# KiCad board haptic display 8x8 aisler.kicad_pcb (continued)
## Routing (per net, layer and track width the routed paths; a pad name or vN(x,y) marks a point on that pad's centre or on a via; arc(x,y) is an arc through that point) (continued)
109.39,84.02 109.7,84.06 110,84.08 110.3,84.07 110.61,84.04 110.91,83.98 111.2,83.91 111.49,83.81 111.78,83.69 112.05,83.55 112.31,83.39 112.56,83.21 112.79,83.01 113.01,82.79 113.21,82.56 113.4,82.32 113.57,82.06 113.71,81.79 113.84,81.51 113.94,81.22 114.03,80.92 114.09,80.62 114.12,80.31 114.14,80 114.13,79.69 114.1,79.38 114.04,79.08 113.97,78.78 113.87,78.48 113.74,78.2 113.6,77.92 113.44,77.66 113.26,77.4 113.05,77.17 112.84,76.94 112.6,76.74 112.35,76.55 112.09,76.38 111.81,76.23 111.53,76.1 111.23,76 110.93,75.91 110.63,75.85 110.31,75.81 110,75.8 109.7,75.81 109.4,75.84 109.11,75.89 108.81,75.96 108.53,76.05 108.25,76.16 107.98,76.3 107.72,76.45 107.47,76.62 107.23,76.8 107.01,77.01 106.8,77.23 106.61,77.46 106.43,77.71 106.28,77.97 106.14,78.24 106.02,78.52 105.92,78.8 105.84,79.1 105.79,79.39 105.75,79.7 105.74,80 105.75,80.3 105.78,80.61 105.83,80.91 105.9,81.2 105.99,81.49 106.11,81.78 106.24,82.05 106.4,82.32 106.57,82.57 106.76,82.81 106.96,83.04 107.19,83.25 107.42,83.44 107.67,83.62 107.94,83.78 108.21,83.92 108.49,84.04 108.78,84.14 109.08,84.22 109.39,84.28 109.69,84.31 110,84.33 110.31,84.32 110.62,84.29 110.92,84.23 111.22,84.16 111.52,84.07 111.8,83.95 112.08,83.81 112.35,83.66 112.61,83.48 112.85,83.29 113.08,83.08 113.29,82.85 113.49,82.61 113.67,82.36 113.83,82.09 113.98,81.82 114.1,81.53 114.2,81.23 114.28,80.93 114.34,80.62 114.37,80.31 114.39,80 114.38,79.69 114.35,79.37 114.3,79.07 114.22,78.76 114.12,78.46 114.01,78.17 113.87,77.89 113.71,77.62 113.53,77.36 113.34,77.11 113.12,76.88 112.9,76.66 112.65,76.46 112.39,76.28 112.12,76.11 111.84,75.97 111.55,75.84 111.25,75.74 110.94,75.66 110.63,75.6 110.32,75.56 110,75.55 109.05,75.55 ; 109.59,63.98 109.63,63.97 110,63.6 110,63.55 109.79,63.56 109.59,63.6 109.39,63.67 109.2,63.76 109.03,63.88 108.88,64.03 108.75,64.19 108.64,64.38 108.56,64.58 108.51,64.79 108.49,65 108.5,65.22 108.54,65.43 108.61,65.64 108.71,65.83 108.84,66.01 108.99,66.17 109.16,66.31 109.35,66.42 109.56,66.5 109.78,66.55 110,66.58 110.22,66.56 110.45,66.52 110.66,66.45 110.86,66.34 111.05,66.21 111.22,66.05 111.36,65.87 111.47,65.67 111.56,65.46 111.62,65.23 111.64,65 111.63,64.77 111.58,64.54 111.51,64.31 111.4,64.1 111.26,63.91 111.09,63.74 110.91,63.59 110.7,63.47 110.48,63.38 110.24,63.32 110,63.3 109.78,63.31 109.56,63.35 109.34,63.41 109.14,63.51 108.95,63.63 108.78,63.78 108.62,63.94 108.49,64.13 108.39,64.33 108.31,64.55 108.26,64.77 108.24,65 108.25,65.23 108.29,65.46 108.36,65.68 108.46,65.89 108.58,66.09 108.73,66.27 108.9,66.43 109.1,66.56 109.31,66.67 109.53,66.75 109.76,66.8 110,66.83 110.24,66.81 110.48,66.77 110.7,66.7 110.92,66.6 111.13,66.47 111.31,66.31 111.48,66.13 111.62,65.93 111.73,65.72 111.81,65.49 111.87,65.25 111.89,65 111.88,64.75 111.83,64.51 111.76,64.27 111.65,64.05 111.52,63.84 111.36,63.64 111.17,63.47 110.96,63.33 110.74,63.21 110.5,63.13 110.25,63.07 110,63.05 109.76,63.06 109.53,63.1 109.3,63.16 109.08,63.26 108.88,63.38 108.69,63.52 108.52,63.68 108.36,63.87 108.24,64.07 108.13,64.29 108.06,64.52 108.01,64.76 107.99,65 108,65.24 108.04,65.48 108.1,65.72 108.2,65.94 108.32,66.16 108.47,66.35 108.64,66.53 108.83,66.69 109.04,66.82 109.27,66.93 109.51,67.01 109.75,67.06 110,67.08 110.25,67.06 110.5,67.02 110.74,66.95 110.97,66.85 111.19,66.73 111.4,66.57 111.58,66.4 111.74,66.2 111.88,65.98 111.99,65.75 112.07,65.51 112.12,65.26 112.14,65 112.13,64.74 112.08,64.49 112.01,64.24 111.91,64 111.78,63.77 111.62,63.56 111.44,63.37 111.24,63.21 111.01,63.07 110.78,62.96 110.52,62.87 110.26,62.82 110,62.8 109.75,62.81 109.51,62.85 109.27,62.91 109.04,63 108.82,63.12 108.61,63.26 108.42,63.42 108.25,63.61 108.1,63.81 107.98,64.03 107.88,64.26 107.8,64.5 107.76,64.75 107.74,65 107.75,65.25 107.79,65.51 107.85,65.75 107.95,65.99 108.07,66.22 108.21,66.43 108.38,66.62 108.57,66.8 108.77,66.95 109,67.08 109.24,67.18 109.48,67.26 109.74,67.31 110,67.33 110.26,67.31 110.52,67.28 110.77,67.21 111.02,67.11 111.25,66.99 111.47,66.84 111.67,66.67 111.85,66.47 112,66.26 112.13,66.03 112.24,65.78 112.32,65.53 112.37,65.27 112.39,65 112.38,64.73 112.34,64.47 112.27,64.21 112.17,63.96 112.04,63.72 111.89,63.49 111.71,63.29 111.51,63.11 111.29,62.94 111.06,62.81 110.8,62.7 110.54,62.62 110.27,62.57 110,62.55 109.74,62.56 109.49,62.6 109.24,62.66 109,62.75 108.76,62.86 108.55,63 108.34,63.16 108.15,63.34 107.99,63.54 107.84,63.75 107.72,63.98 107.62,64.23 107.55,64.48 107.51,64.74 107.49,65 107.5,65.26 107.53,65.52 107.6,65.78 107.69,66.03 107.81,66.27 107.95,66.49 108.11,66.7 108.3,66.89 108.5,67.06 108.72,67.21 108.96,67.34 109.21,67.44 109.47,67.51 109.73,67.56 110,67.58 110.27,67.57 110.54,67.53 110.8,67.46 111.05,67.37 111.3,67.25 111.53,67.1 111.74,66.94 111.94,66.75 112.11,66.54 112.27,66.31 112.39,66.07 112.5,65.81 112.57,65.55 112.62,65.28 112.64,65 112.63,64.72 112.59,64.45 112.52,64.18 112.42,63.92 112.3,63.67 112.15,63.44 111.98,63.22 111.79,63.02 111.57,62.84 111.34,62.68 111.09,62.55 110.83,62.44 110.56,62.37 110.28,62.32 110,62.3 109.73,62.31 109.47,62.34 109.21,62.41 108.96,62.49 108.72,62.6 108.49,62.74 108.27,62.89 108.07,63.07 107.89,63.26 107.72,63.48 107.58,63.71 107.46,63.95 107.37,64.2 107.3,64.46 107.25,64.73 107.24,65 107.25,65.27 107.28,65.54 107.35,65.81 107.43,66.06 107.55,66.31 107.68,66.55 107.84,66.77 108.02,66.98 108.23,67.16 108.44,67.33 108.68,67.47 108.92,67.6 109.18,67.69 109.45,67.76 109.72,67.81 110,67.83 110.28,67.82 110.55,67.78 110.82,67.71 111.09,67.62 111.34,67.51 111.58,67.37 111.81,67.2 112.02,67.02 112.21,66.81 112.38,66.59 112.53,66.35 112.65,66.1 112.75,65.83 112.82,65.56 112.87,65.28 112.89,65 112.88,64.72 112.84,64.44 112.77,64.16 112.68,63.89 112.56,63.63 112.42,63.38 112.25,63.15 112.06,62.94 111.85,62.74 111.63,62.57 111.38,62.42 111.12,62.29 110.85,62.19 110.57,62.11 110.29,62.07 110,62.05 109.73,62.06 109.46,62.09 109.19,62.15 108.93,62.24 108.68,62.34 108.44,62.47 108.21,62.63 107.99,62.8 107.8,62.99 107.62,63.2 107.46,63.43 107.32,63.67 107.2,63.92 107.11,64.18 107.05,64.45 107,64.72 106.99,65 107,65.28 107.03,65.55 107.09,65.83 107.18,66.09 107.29,66.35 107.42,66.6 107.58,66.83 107.75,67.05 107.95,67.25 108.16,67.43 108.39,67.6 108.64,67.74 108.89,67.85 109.16,67.95 109.44,68.02 109.72,68.06 110,68.08 110.28,68.07 110.57,68.03 110.84,67.97 111.12,67.88 111.38,67.77 111.63,67.63 111.87,67.47 112.09,67.29 112.3,67.09 112.48,66.88 112.65,66.64 112.79,66.39 112.91,66.13 113.01,65.86 113.08,65.58 113.12,65.29 113.14,65 113.13,64.71 113.09,64.42 113.03,64.14 112.94,63.86 112.83,63.59 112.69,63.34 112.52,63.09 112.34,62.87 112.14,62.66 111.91,62.47 111.67,62.3 111.42,62.15 111.15,62.03 110.87,61.93 110.59,61.86 110.29,61.82 110,61.8 109.72,61.81 109.44,61.84 109.17,61.9 108.9,61.98 108.64,62.08 108.39,62.21 108.15,62.36 107.93,62.53 107.72,62.72 107.52,62.92 107.35,63.14 107.19,63.38 107.06,63.63 106.95,63.89 106.86,64.16 106.79,64.43 106.75,64.72 106.74,65 106.75,65.28 106.78,65.57 106.84,65.85 106.92,66.12 107.03,66.39 107.16,66.64 107.31,66.89 107.48,67.11 107.67,67.33 107.88,67.53 108.11,67.7 108.35,67.86 108.6,68 108.87,68.11 109.14,68.2 109.42,68.27 109.71,68.31 110,68.33 110.29,68.32 110.58,68.28 110.86,68.22 111.14,68.14 111.41,68.03 111.67,67.9 111.92,67.74 112.16,67.57 112.37,67.37 112.57,67.16 112.75,66.93 112.92,66.68 113.05,66.42 113.17,66.15 113.26,65.87 113.33,65.59 113.37,65.29 113.39,65 113.38,64.7 113.34,64.41 113.28,64.12 113.2,63.84 113.09,63.56 112.95,63.3 112.79,63.04 112.62,62.8 112.42,62.58 112.2,62.38 111.96,62.19 111.71,62.03 111.45,61.89 111.18,61.77 110.89,61.68 110.6,61.61 110.3,61.57 110,61.55 109.71,61.56 109.43,61.59 109.15,61.65 108.88,61.72 108.61,61.83 108.35,61.95 108.1,62.09 107.86,62.26 107.64,62.44 107.44,62.64 107.25,62.86 107.08,63.09 106.93,63.34 106.8,63.6 106.69,63.86 106.6,64.14 106.54,64.42 106.5,64.71 106.49,65 106.5,65.29 106.53,65.58 106.59,65.86 106.67,66.14 106.77,66.42 106.89,66.68 107.04,66.93 107.21,67.17 107.39,67.4 107.6,67.61 107.82,67.8 108.06,67.97 108.31,68.13 108.57,68.26 108.84,68.37 109.12,68.46 109.41,68.52 109.71,68.56 110,68.58 110.3,68.57 110.59,68.53 110.88,68.48 111.17,68.39 111.44,68.29 111.71,68.16 111.97,68.01 112.21,67.84 112.44,67.65 112.65,67.44 112.85,67.22 113.03,66.98 113.18,66.72 113.32,66.45 113.43,66.18 113.52,65.89 113.58,65.6 113.62,65.3 113.64,65 113.63,64.7 113.59,64.4 113.54,64.1 113.45,63.81 113.35,63.53 113.22,63.26 113.06,63 112.89,62.75 112.7,62.52 112.49,62.3 112.26,62.1 112.01,61.92 111.75,61.76 111.48,61.63 111.2,61.51 110.91,61.42 110.61,61.36 110.31,61.32 110,61.3 109.71,61.31 109.42,61.34 109.13,61.39 108.85,61.47 108.58,61.57 108.31,61.69 108.06,61.83 107.81,61.99 107.58,62.17 107.36,62.36 107.16,62.57 106.98,62.8 106.81,63.05 106.66,63.3 106.54,63.57 106.43,63.84 106.35,64.12 106.29,64.41 106.25,64.71 106.24,65 106.25,65.3 106.28,65.59 106.33,65.88 106.41,66.17 106.51,66.45 106.63,66.72 106.77,66.98 106.94,67.23 107.12,67.46 107.32,67.68 107.53,67.89 107.77,68.07 108.01,68.24 108.27,68.39 108.54,68.52 108.82,68.63 109.11,68.71 109.4,68.77 109.7,68.81 110,68.83 110.3,68.82 110.6,68.78 110.9,68.73 111.19,68.65 111.47,68.55 111.75,68.42 112.01,68.28 112.26,68.11 112.5,67.93 112.73,67.73 112.93,67.51 113.12,67.27 113.3,67.02 113.45,66.76 113.58,66.48 113.69,66.2 113.77,65.91 113.83,65.61 113.87,65.3 113.89,65 113.88,64.69 113.85,64.39 113.79,64.09 113.71,63.79 113.61,63.51 113.48,63.23 113.33,62.96 113.17,62.7 112.98,62.46 112.77,62.23 112.55,62.02 112.31,61.82 112.05,61.65 111.78,61.5 111.51,61.37 111.22,61.26 110.92,61.17 110.62,61.1 110.31,61.07 110,61.05 109.7,61.06 109.41,61.09 109.12,61.14 108.83,61.21 108.55,61.31 108.28,61.43 108.01,61.56 107.76,61.72 107.52,61.89 107.29,62.08 107.08,62.29 106.88,62.51 106.7,62.75 106.54,63 106.4,63.27 106.28,63.54 106.18,63.82 106.1,64.11 106.04,64.4 106,64.7 105.99,65 106,65.3 106.03,65.6 106.08,65.89 106.15,66.19 106.25,66.47 106.37,66.75 106.51,67.02 106.67,67.27 106.84,67.52 107.04,67.75 107.25,67.97 107.48,68.17 107.72,68.35 107.97,68.51 108.24,68.66 108.52,68.78 108.8,68.88 109.1,68.96 109.39,69.02 109.7,69.06 110,69.08 110.3,69.07 110.61,69.04 110.91,68.98 111.2,68.91 111.49,68.81 111.78,68.69 112.05,68.55 112.31,68.39 112.56,68.21 112.79,68.01 113.01,67.79 113.21,67.56 113.4,67.32 113.57,67.06 113.71,66.79 113.84,66.51 113.94,66.22 114.03,65.92 114.09,65.62 114.12,65.31 114.14,65 114.13,64.69 114.1,64.38 114.04,64.08 113.97,63.78 113.87,63.48 113.74,63.2 113.6,62.92 113.44,62.66 113.26,62.4 113.05,62.17 112.84,61.94 112.6,61.74 112.35,61.55 112.09,61.38 111.81,61.23 111.53,61.1 111.23,61 110.93,60.91 110.63,60.85 110.31,60.81 110,60.8 109.7,60.81 109.4,60.84 109.11,60.89 108.81,60.96 108.53,61.05 108.25,61.16 107.98,61.3 107.72,61.45 107.47,61.62 107.23,61.8 107.01,62.01 106.8,62.23 106.61,62.46 106.43,62.71 106.28,62.97 106.14,63.24 106.02,63.52 105.92,63.8 105.84,64.1 105.79,64.39 105.75,64.7 105.74,65 105.75,65.3 105.78,65.61 105.83,65.91 105.9,66.2 105.99,66.49 106.11,66.78 106.24,67.05 106.4,67.32 106.57,67.57 106.76,67.81 106.96,68.04 107.19,68.25 107.42,68.44 107.67,68.62 107.94,68.78 108.21,68.92 108.49,69.04 108.78,69.14 109.08,69.22 109.39,69.28 109.69,69.31 110,69.33 110.31,69.32 110.62,69.29 110.92,69.23 111.22,69.16 111.52,69.07 111.8,68.95 112.08,68.81 112.35,68.66 112.61,68.48 112.85,68.29 113.08,68.08 113.29,67.85 113.49,67.61 113.67,67.36 113.83,67.09 113.98,66.82 114.1,66.53 114.2,66.23 114.28,65.93 114.34,65.62 114.37,65.31 114.39,65 114.38,64.69 114.35,64.37 114.3,64.07 114.22,63.76 114.12,63.46 114.01,63.17 113.87,62.89 113.71,62.62 113.53,62.36 113.34,62.11 113.12,61.88 112.9,61.66 112.65,61.46 112.39,61.28 112.12,61.11 111.84,60.97 111.55,60.84 111.25,60.74 110.94,60.66 110.63,60.6 110.32,60.56 110,60.55 109.05,60.55 ; 109.59,48.98 109.63,48.97 110,48.6 110,48.55 109.79,48.56 109.59,48.6 109.39,48.67 109.2,48.76 109.03,48.88 108.88,49.03 108.75,49.19 108.64,49.38 108.56,49.58 108.51,49.79 108.49,50 108.5,50.22 108.54,50.43 108.61,50.64 108.71,50.83 108.84,51.01 108.99,51.17 109.16,51.31 109.35,51.42 109.56,51.5 109.78,51.55 110,51.58 110.22,51.56 110.45,51.52 110.66,51.45 110.86,51.34 111.05,51.21 111.22,51.05 111.36,50.87 111.47,50.67 111.56,50.46 111.62,50.23 111.64,50 111.63,49.77 111.58,49.54 111.51,49.31 111.4,49.1 111.26,48.91 111.09,48.74 110.91,48.59 110.7,48.47 110.48,48.38 110.24,48.32 110,48.3 109.78,48.31 109.56,48.35 109.34,48.41 109.14,48.51 108.95,48.63 108.78,48.78 108.62,48.94 108.49,49.13 108.39,49.33 108.31,49.55 108.26,49.77 108.24,50 108.25,50.23 108.29,50.46 108.36,50.68 108.46,50.89 108.58,51.09 108.73,51.27 108.9,51.43 109.1,51.56 109.31,51.67 109.53,51.75 109.76,51.8 110,51.83 110.24,51.81 110.48,51.77 110.7,51.7 110.92,51.6 111.13,51.47 111.31,51.31 111.48,51.13 111.62,50.93 111.73,50.72 111.81,50.49 111.87,50.25 111.89,50 111.88,49.75 111.83,49.51 111.76,49.27 111.65,49.05 111.52,48.84 111.36,48.64 111.17,48.47 110.96,48.33 110.74,48.21 110.5,48.13 110.25,48.07 110,48.05 109.76,48.06 109.53,48.1 109.3,48.16 109.08,48.26 108.88,48.38 108.69,48.52 108.52,48.68 108.36,48.87 108.24,49.07 108.13,49.29 108.06,49.52 108.01,49.76 107.99,50 108,50.24 108.04,50.48 108.1,50.72 108.2,50.94 108.32,51.16 108.47,51.35 108.64,51.53 108.83,51.69 109.04,51.82 109.27,51.93 109.51,52.01 109.75,52.06 110,52.08 110.25,52.06 110.5,52.02 110.74,51.95 110.97,51.85 111.19,51.73 111.4,51.57 111.58,51.4 111.74,51.2 111.88,50.98 111.99,50.75 112.07,50.51 112.12,50.26 112.14,50 112.13,49.74 112.08,49.49 112.01,49.24 111.91,49 111.78,48.77 111.62,48.56 111.44,48.37 111.24,48.21 111.01,48.07 110.78,47.96 110.52,47.87 110.26,47.82 110,47.8 109.75,47.81 109.51,47.85 109.27,47.91 109.04,48 108.82,48.12 108.61,48.26 108.42,48.42 108.25,48.61 108.1,48.81 107.98,49.03 107.88,49.26 107.8,49.5 107.76,49.75 107.74,50 107.75,50.25 107.79,50.51 107.85,50.75 107.95,50.99 108.07,51.22 108.21,51.43 108.38,51.62 108.57,51.8 108.77,51.95 109,52.08 109.24,52.18 109.48,52.26 109.74,52.31 110,52.33 110.26,52.31 110.52,52.28 110.77,52.21 111.02,52.11 111.25,51.99 111.47,51.84 111.67,51.67 111.85,51.47 112,51.26 112.13,51.03 112.24,50.78 112.32,50.53 112.37,50.27 112.39,50 112.38,49.73 112.34,49.47 112.27,49.21 112.17,48.96 112.04,48.72 111.89,48.49 111.71,48.29 111.51,48.11 111.29,47.94 111.06,47.81 110.8,47.7 110.54,47.62 110.27,47.57 110,47.55 109.74,47.56 109.49,47.6 109.24,47.66 109,47.75 108.76,47.86 108.55,48 108.34,48.16 108.15,48.34 107.99,48.54 107.84,48.75 107.72,48.98 107.62,49.23 107.55,49.48 107.51,49.74 107.49,50 107.5,50.26 107.53,50.52 107.6,50.78 107.69,51.03 107.81,51.27 107.95,51.49 108.11,51.7 108.3,51.89 108.5,52.06 108.72,52.21 108.96,52.34 109.21,52.44 109.47,52.51 109.73,52.56 110,52.58 110.27,52.57 110.54,52.53 110.8,52.46 111.05,52.37 111.3,52.25 111.53,52.1 111.74,51.94 111.94,51.75 112.11,51.54 112.27,51.31 112.39,51.07 112.5,50.81 112.57,50.55 112.62,50.28 112.64,50 112.63,49.72 112.59,49.45 112.52,49.18 112.42,48.92 112.3,48.67 112.15,48.44 111.98,48.22 111.79,48.02 111.57,47.84 111.34,47.68 111.09,47.55 110.83,47.44 110.56,47.37 110.28,47.32 110,47.3 109.73,47.31 109.47,47.34 109.21,47.41 108.96,47.49 108.72,47.6 108.49,47.74 108.27,47.89 108.07,48.07 107.89,48.26 107.72,48.48 107.58,48.71 107.46,48.95 107.37,49.2 107.3,49.46 107.25,49.73 107.24,50 107.25,50.27 107.28,50.54 107.35,50.81 107.43,51.06 107.55,51.31 107.68,51.55 107.84,51.77 108.02,51.98 108.23,52.16 108.44,52.33 108.68,52.47 108.92,52.6 109.18,52.69 109.45,52.76 109.72,52.81 110,52.83 110.28,52.82 110.55,52.78 110.82,52.71 111.09,52.62 111.34,52.51 111.58,52.37 111.81,52.2 112.02,52.02 112.21,51.81 112.38,51.59 112.53,51.35 112.65,51.1 112.75,50.83 112.82,50.56 112.87,50.28 112.89,50 112.88,49.72 112.84,49.44 112.77,49.16 112.68,48.89 112.56,48.63 112.42,48.38 112.25,48.15 112.06,47.94 111.85,47.74 111.63,47.57 111.38,47.42 111.12,47.29 110.85,47.19 110.57,47.11 110.29,47.07 110,47.05 109.73,47.06 109.46,47.09 109.19,47.15 108.93,47.24 108.68,47.34 108.44,47.47 108.21,47.63 107.99,47.8 107.8,47.99 107.62,48.2 107.46,48.43 107.32,48.67 107.2,48.92 107.11,49.18 107.05,49.45 107,49.72 106.99,50 107,50.28 107.03,50.55 107.09,50.83 107.18,51.09 107.29,51.35 107.42,51.6 107.58,51.83 107.75,52.05 107.95,52.25 108.16,52.43 108.39,52.6 108.64,52.74 108.89,52.85 109.16,52.95 109.44,53.02 109.72,53.06 110,53.08 110.28,53.07 110.57,53.03 110.84,52.97 111.12,52.88 111.38,52.77 111.63,52.63 111.87,52.47 112.09,52.29 112.3,52.09 112.48,51.88 112.65,51.64 112.79,51.39 112.91,51.13 113.01,50.86 113.08,50.58 113.12,50.29 113.14,50 113.13,49.71 113.09,49.42 113.03,49.14 112.94,48.86 112.83,48.59 112.69,48.34 112.52,48.09 112.34,47.87 112.14,47.66 111.91,47.47 111.67,47.3 111.42,47.15 111.15,47.03 110.87,46.93 110.59,46.86 110.29,46.82 110,46.8 109.72,46.81 109.44,46.84 109.17,46.9 108.9,46.98 108.64,47.08 108.39,47.21 108.15,47.36 107.93,47.53 107.72,47.72 107.52,47.92 107.35,48.14 107.19,48.38 107.06,48.63 106.95,48.89 106.86,49.16 106.79,49.43 106.75,49.72 106.74,50 106.75,50.28 106.78,50.57 106.84,50.85 106.92,51.12 107.03,51.39 107.16,51.64 107.31,51.89 107.48,52.11 107.67,52.33 107.88,52.53 108.11,52.7 108.35,52.86 108.6,53 108.87,53.11 109.14,53.2 109.42,53.27 109.71,53.31 110,53.33 110.29,53.32 110.58,53.28 110.86,53.22 111.14,53.14 111.41,53.03 111.67,52.9 111.92,52.74 112.16,52.57 112.37,52.37 112.57,52.16 112.75,51.93 112.92,51.68 113.05,51.42 113.17,51.15 113.26,50.87 113.33,50.59 113.37,50.29 113.39,50 113.38,49.7 113.34,49.41 113.28,49.12 113.2,48.84 113.09,48.56 112.95,48.3 112.79,48.04 112.62,47.8 112.42,47.58 112.2,47.38 111.96,47.19 111.71,47.03 111.45,46.89 111.18,46.77 110.89,46.68 110.6,46.61 110.3,46.57 110,46.55 109.71,46.56 109.43,46.59 109.15,46.65 108.88,46.72 108.61,46.83 108.35,46.95 108.1,47.09 107.86,47.26 107.64,47.44 107.44,47.64 107.25,47.86 107.08,48.09 106.93,48.34 106.8,48.6 106.69,48.86 106.6,49.14 106.54,49.42 106.5,49.71 106.49,50 106.5,50.29 106.53,50.58 106.59,50.86 106.67,51.14 106.77,51.42 106.89,51.68 107.04,51.93 107.21,52.17 107.39,52.4 107.6,52.61 107.82,52.8 108.06,52.97 108.31,53.13 108.57,53.26 108.84,53.37 109.12,53.46 109.41,53.52 109.71,53.56 110,53.58 110.3,53.57 110.59,53.53 110.88,53.48 111.17,53.39 111.44,53.29 111.71,53.16 111.97,53.01 112.21,52.84 112.44,52.65 112.65,52.44 112.85,52.22 113.03,51.98 113.18,51.72 113.32,51.45 113.43,51.18 113.52,50.89 113.58,50.6 113.62,50.3 113.64,50 113.63,49.7 113.59,49.4 113.54,49.1 113.45,48.81 113.35,48.53 113.22,48.26 113.06,48 112.89,47.75 112.7,47.52 112.49,47.3 112.26,47.1 112.01,46.92 111.75,46.76 111.48,46.63 111.2,46.51 110.91,46.42 110.61,46.36 110.31,46.32 110,46.3 109.71,46.31 109.42,46.34 109.13,46.39 108.85,46.47 108.58,46.57 108.31,46.69 108.06,46.83 107.81,46.99 107.58,47.17 107.36,47.36 107.16,47.57 106.98,47.8 106.81,48.05 106.66,48.3 106.54,48.57 106.43,48.84 106.35,49.12 106.29,49.41 106.25,49.71 106.24,50 106.25,50.3 106.28,50.59 106.33,50.88 106.41,51.17 106.51,51.45 106.63,51.72 106.77,51.98 106.94,52.23 107.12,52.46 107.32,52.68 107.53,52.89 107.77,53.07 108.01,53.24 108.27,53.39 108.54,53.52 108.82,53.63 109.11,53.71 109.4,53.77 109.7,53.81 110,53.83 110.3,53.82 110.6,53.78 110.9,53.73 111.19,53.65 111.47,53.55 111.75,53.42 112.01,53.28 112.26,53.11 112.5,52.93 112.73,52.73 112.93,52.51 113.12,52.27 113.3,52.02 113.45,51.76 113.58,51.48 113.69,51.2 113.77,50.91 113.83,50.61 113.87,50.3 113.89,50 113.88,49.69 113.85,49.39 113.79,49.09 113.71,48.79 113.61,48.51 113.48,48.23 113.33,47.96 113.17,47.7 112.98,47.46 112.77,47.23 112.55,47.02 112.31,46.82 112.05,46.65 111.78,46.5 111.51,46.37 111.22,46.26 110.92,46.17 110.62,46.1 110.31,46.07 110,46.05 109.7,46.06 109.41,46.09 109.12,46.14 108.83,46.21 108.55,46.31 108.28,46.43 108.01,46.56 107.76,46.72 107.52,46.89 107.29,47.08 107.08,47.29 106.88,47.51 106.7,47.75 106.54,48 106.4,48.27 106.28,48.54 106.18,48.82 106.1,49.11 106.04,49.4 106,49.7 105.99,50 106,50.3 106.03,50.6 106.08,50.89 106.15,51.19 106.25,51.47 106.37,51.75 106.51,52.02 106.67,52.27 106.84,52.52 107.04,52.75 107.25,52.97 107.48,53.17 107.72,53.35 107.97,53.51 108.24,53.66 108.52,53.78 108.8,53.88 109.1,53.96 109.39,54.02 109.7,54.06 110,54.08 110.3,54.07 110.61,54.04 110.91,53.98 111.2,53.91 111.49,53.81 111.78,53.69 112.05,53.55 112.31,53.39 112.56,53.21 112.79,53.01 113.01,52.79 113.21,52.56 113.4,52.32 113.57,52.06 113.71,51.79 113.84,51.51 113.94,51.22 114.03,50.92 114.09,50.62 114.12,50.31 114.14,50 114.13,49.69 114.1,49.38 114.04,49.08 113.97,48.78 113.87,48.48 113.74,48.2 113.6,47.92 113.44,47.66 113.26,47.4 113.05,47.17 112.84,46.94 112.6,46.74 112.35,46.55 112.09,46.38 111.81,46.23 111.53,46.1 111.23,46 110.93,45.91 110.63,45.85 110.31,45.81 110,45.8 109.7,45.81 109.4,45.84 109.11,45.89 108.81,45.96 108.53,46.05 108.25,46.16 107.98,46.3 107.72,46.45 107.47,46.62 107.23,46.8 107.01,47.01 106.8,47.23 106.61,47.46 106.43,47.71 106.28,47.97 106.14,48.24 106.02,48.52 105.92,48.8 105.84,49.1 105.79,49.39 105.75,49.7 105.74,50 105.75,50.3 105.78,50.61 105.83,50.91 105.9,51.2 105.99,51.49 106.11,51.78 106.24,52.05 106.4,52.32 106.57,52.57 106.76,52.81 106.96,53.04 107.19,53.25 107.42,53.44 107.67,53.62 107.94,53.78 108.21,53.92 108.49,54.04 108.78,54.14 109.08,54.22 109.39,54.28 109.69,54.31 110,54.33 110.31,54.32 110.62,54.29 110.92,54.23 111.22,54.16 111.52,54.07 111.8,53.95 112.08,53.81 112.35,53.66 112.61,53.48 112.85,53.29 113.08,53.08 113.29,52.85 113.49,52.61 113.67,52.36 113.83,52.09 113.98,51.82 114.1,51.53 114.2,51.23 114.28,50.93 114.34,50.62 114.37,50.31 114.39,50 114.38,49.69 114.35,49.37 114.3,49.07 114.22,48.76 114.12,48.46 114.01,48.17 113.87,47.89 113.71,47.62 113.53,47.36 113.34,47.11 113.12,46.88 112.9,46.66 112.65,46.46 112.39,46.28 112.12,46.11 111.84,45.97 111.55,45.84 111.25,45.74 110.94,45.66 110.63,45.6 110.32,45.56 110,45.55 109.05,45.55 ; 109.59,33.98 109.63,33.97 110,33.6 110,33.55 109.79,33.56 109.59,33.6 109.39,33.67 109.2,33.76 109.03,33.88 108.88,34.03 108.75,34.19 108.64,34.38 108.56,34.58 108.51,34.79 108.49,35 108.5,35.22 108.54,35.43 108.61,35.64 108.71,35.83 108.84,36.01 108.99,36.17 109.16,36.31 109.35,36.42 109.56,36.5 109.78,36.55 110,36.57 110.22,36.56 110.45,36.52 110.66,36.45 110.86,36.34 111.05,36.21 111.22,36.05 111.36,35.87 111.47,35.67 111.56,35.46 111.62,35.23 111.64,35 111.63,34.77 111.58,34.54 111.51,34.31 111.4,34.1 111.26,33.91 111.09,33.74 110.91,33.59 110.7,33.47 110.48,33.38 110.24,33.32 110,33.3 109.78,33.31 109.56,33.35 109.34,33.41 109.14,33.51 108.95,33.63 108.78,33.78 108.62,33.94 108.49,34.13 108.39,34.33 108.31,34.55 108.26,34.77 108.24,35 108.25,35.23 108.29,35.46 108.36,35.68 108.46,35.89 108.58,36.09 108.73,36.27 108.9,36.43 109.1,36.56 109.31,36.67 109.53,36.75 109.76,36.8 110,36.82 110.24,36.81 110.48,36.77 110.7,36.7 110.92,36.6 111.13,36.47 111.31,36.31 111.48,36.13 111.62,35.93 111.73,35.72 111.81,35.49 111.87,35.25 111.89,35 111.88,34.75 111.83,34.51 111.76,34.27 111.65,34.05 111.52,33.84 111.36,33.64 111.17,33.47 110.96,33.33 110.74,33.21 110.5,33.13 110.25,33.07 110,33.05 109.76,33.06 109.53,33.1 109.3,33.16 109.08,33.26 108.88,33.38 108.69,33.52 108.52,33.68 108.36,33.87 108.24,34.07 108.13,34.29 108.06,34.52 108.01,34.76 107.99,35 108,35.24 108.04,35.48 108.1,35.72 108.2,35.94 108.32,36.16 108.47,36.35 108.64,36.53 108.83,36.69 109.04,36.82 109.27,36.93 109.51,37.01 109.75,37.06 110,37.07 110.25,37.06 110.5,37.02 110.74,36.95 110.97,36.85 111.19,36.73 111.4,36.57 111.58,36.4 111.74,36.2 111.88,35.98 111.99,35.75 112.07,35.51 112.12,35.26 112.14,35 112.13,34.74 112.08,34.49 112.01,34.24 111.91,34 111.78,33.77 111.62,33.56 111.44,33.37 111.24,33.21 111.01,33.07 110.78,32.96 110.52,32.87 110.26,32.82 110,32.8 109.75,32.81 109.51,32.85 109.27,32.91 109.04,33 108.82,33.12 108.61,33.26 108.42,33.42 108.25,33.61 108.1,33.81 107.98,34.03 107.88,34.26 107.8,34.5 107.76,34.75 107.74,35 107.75,35.25 107.79,35.51 107.85,35.75 107.95,35.99 108.07,36.22 108.21,36.43 108.38,36.62 108.57,36.8 108.77,36.95 109,37.08 109.24,37.18 109.48,37.26 109.74,37.31 110,37.32 110.26,37.31 110.52,37.28 110.77,37.21 111.02,37.11 111.25,36.99 111.47,36.84 111.67,36.67 111.85,36.47 112,36.26 112.13,36.03 112.24,35.78 112.32,35.53 112.37,35.27 112.39,35 112.38,34.73 112.34,34.47 112.27,34.21 112.17,33.96 112.04,33.72 111.89,33.49 111.71,33.29 111.51,33.11 111.29,32.94 111.06,32.81 110.8,32.7 110.54,32.62 110.27,32.57 110,32.55 109.74,32.56 109.49,32.6 109.24,32.66 109,32.75 108.76,32.86 108.55,33 108.34,33.16 108.15,33.34 107.99,33.54 107.84,33.75 107.72,33.98 107.62,34.23 107.55,34.48 107.51,34.74 107.49,35 107.5,35.26 107.53,35.52 107.6,35.78 107.69,36.03 107.81,36.27 107.95,36.49 108.11,36.7 108.3,36.89 108.5,37.06 108.72,37.21 108.96,37.34 109.21,37.44 109.47,37.51 109.73,37.56 110,37.57 110.27,37.57 110.54,37.53 110.8,37.46 111.05,37.37 111.3,37.25 111.53,37.1 111.74,36.94 111.94,36.75 112.11,36.54 112.27,36.31 112.39,36.07 112.5,35.81 112.57,35.55 112.62,35.28 112.64,35 112.63,34.72 112.59,34.45 112.52,34.18 112.42,33.92 112.3,33.67 112.15,33.44 111.98,33.22 111.79,33.02 111.57,32.84 111.34,32.68 111.09,32.55 110.83,32.44 110.56,32.37 110.28,32.32 110,32.3 109.73,32.31 109.47,32.34 109.21,32.41 108.96,32.49 108.72,32.6 108.49,32.74 108.27,32.89 108.07,33.07 107.89,33.26 107.72,33.48 107.58,33.71 107.46,33.95 107.37,34.2 107.3,34.46 107.25,34.73 107.24,35 107.25,35.27 107.28,35.54 107.35,35.81 107.43,36.06 107.55,36.31 107.68,36.55 107.84,36.77 108.02,36.98 108.23,37.16 108.44,37.33 108.68,37.47 108.92,37.6 109.18,37.69 109.45,37.76 109.72,37.81 110,37.82 110.28,37.82 110.55,37.78 110.82,37.71 111.09,37.62 111.34,37.51 111.58,37.37 111.81,37.2 112.02,37.02 112.21,36.81 112.38,36.59 112.53,36.35 112.65,36.1 112.75,35.83 112.82,35.56 112.87,35.28 112.89,35 112.88,34.72 112.84,34.44 112.77,34.16 112.68,33.89 112.56,33.63 112.42,33.38 112.25,33.15 112.06,32.94 111.85,32.74 111.63,32.57 111.38,32.42 111.12,32.29 110.85,32.19 110.57,32.11 110.29,32.07 110,32.05 109.73,32.06 109.46,32.09 109.19,32.15 108.93,32.24 108.68,32.34 108.44,32.47 108.21,32.63 107.99,32.8 107.8,32.99 107.62,33.2 107.46,33.43 107.32,33.67 107.2,33.92 107.11,34.18 107.05,34.45 107,34.72 106.99,35 107,35.28 107.03,35.55 107.09,35.83 107.18,36.09 107.29,36.35 107.42,36.6 107.58,36.83 107.75,37.05 107.95,37.25 108.16,37.43 108.39,37.6 108.64,37.74 108.89,37.85 109.16,37.95 109.44,38.02 109.72,38.06 110,38.07 110.28,38.07 110.57,38.03 110.84,37.97 111.12,37.88 111.38,37.77 111.63,37.63 111.87,37.47 112.09,37.29 112.3,37.09 112.48,36.88 112.65,36.64 112.79,36.39 112.91,36.13 113.01,35.86 113.08,35.58 113.12,35.29 113.14,35 113.13,34.71 113.09,34.42 113.03,34.14 112.94,33.86 112.83,33.59 112.69,33.34 112.52,33.09 112.34,32.87 112.14,32.66 111.91,32.47 111.67,32.3 111.42,32.15 111.15,32.03 110.87,31.93 110.59,31.86 110.29,31.82 110,31.8 109.72,31.81 109.44,31.84 109.17,31.9 108.9,31.98 108.64,32.08 108.39,32.21 108.15,32.36 107.93,32.53 107.72,32.72 107.52,32.92 107.35,33.14 107.19,33.38 107.06,33.63 106.95,33.89 106.86,34.16 106.79,34.43 106.75,34.72 106.74,35 106.75,35.28 106.78,35.57 106.84,35.85 106.92,36.12 107.03,36.39 107.16,36.64 107.31,36.89 107.48,37.11 107.67,37.33 107.88,37.53 108.11,37.7 108.35,37.86 108.6,38 108.87,38.11 109.14,38.2 109.42,38.27 109.71,38.31 110,38.32 110.29,38.32 110.58,38.28 110.86,38.22 111.14,38.14 111.41,38.03 111.67,37.9 111.92,37.74 112.16,37.57 112.37,37.37 112.57,37.16 112.75,36.93 112.92,36.68 113.05,36.42 113.17,36.15 113.26,35.87 113.33,35.59 113.37,35.29 113.39,35 113.38,34.7 113.34,34.41 113.28,34.12 113.2,33.84 113.09,33.56 112.95,33.3 112.79,33.04 112.62,32.8 112.42,32.58 112.2,32.38 111.96,32.19 111.71,32.03 111.45,31.89 111.18,31.77 110.89,31.68 110.6,31.61 110.3,31.57 110,31.55 109.71,31.56 109.43,31.59 109.15,31.65 108.88,31.72 108.61,31.83 108.35,31.95 108.1,32.09 107.86,32.26 107.64,32.44 107.44,32.64 107.25,32.86 107.08,33.09 106.93,33.34 106.8,33.6 106.69,33.86 106.6,34.14 106.54,34.42 106.5,34.71 106.49,35 106.5,35.29 106.53,35.58 106.59,35.86 106.67,36.14 106.77,36.42 106.89,36.68 107.04,36.93 107.21,37.17 107.39,37.4 107.6,37.61 107.82,37.8 108.06,37.97 108.31,38.13 108.57,38.26 108.84,38.37 109.12,38.46 109.41,38.52 109.71,38.56 110,38.57 110.3,38.57 110.59,38.53 110.88,38.48 111.17,38.39 111.44,38.29 111.71,38.16 111.97,38.01 112.21,37.84 112.44,37.65 112.65,37.44 112.85,37.22 113.03,36.98 113.18,36.72 113.32,36.45 113.43,36.18 113.52,35.89 113.58,35.6 113.62,35.3 113.64,35 113.63,34.7 113.59,34.4 113.54,34.1 113.45,33.81 113.35,33.53 113.22,33.26 113.06,33 112.89,32.75 112.7,32.52 112.49,32.3 112.26,32.1 112.01,31.92 111.75,31.76 111.48,31.63 111.2,31.51 110.91,31.42 110.61,31.36 110.31,31.32 110,31.3 109.71,31.31 109.42,31.34 109.13,31.39 108.85,31.47 108.58,31.57 108.31,31.69 108.06,31.83 107.81,31.99 107.58,32.17 107.36,32.36 107.16,32.57 106.98,32.8 106.81,33.05 106.66,33.3 106.54,33.57 106.43,33.84 106.35,34.12 106.29,34.41 106.25,34.71 106.24,35 106.25,35.3 106.28,35.59 106.33,35.88 106.41,36.17 106.51,36.45 106.63,36.72 106.77,36.98 106.94,37.23 107.12,37.46 107.32,37.68 107.53,37.89 107.77,38.07 108.01,38.24 108.27,38.39 108.54,38.52 108.82,38.63 109.11,38.71 109.4,38.77 109.7,38.81 110,38.82 110.3,38.82 110.6,38.78 110.9,38.73 111.19,38.65 111.47,38.55 111.75,38.42 112.01,38.28 112.26,38.11 112.5,37.93 112.73,37.73 112.93,37.51 113.12,37.27 113.3,37.02 113.45,36.76 113.58,36.48 113.69,36.2 113.77,35.91 113.83,35.61 113.87,35.3 113.89,35 113.88,34.69 113.85,34.39 113.79,34.09 113.71,33.79 113.61,33.51 113.48,33.23 113.33,32.96 113.17,32.7 112.98,32.46 112.77,32.23 112.55,32.02 112.31,31.82 112.05,31.65 111.78,31.5 111.51,31.37 111.22,31.26 110.92,31.17 110.62,31.1 110.31,31.07 110,31.05 109.7,31.06 109.41,31.09 109.12,31.14 108.83,31.21 108.55,31.31 108.28,31.43 108.01,31.56 107.76,31.72 107.52,31.89 107.29,32.08 107.08,32.29 106.88,32.51 106.7,32.75 106.54,33 106.4,33.27 106.28,33.54 106.18,33.82 106.1,34.11 106.04,34.4 106,34.7 105.99,35 106,35.3 106.03,35.6 106.08,35.89 106.15,36.19 106.25,36.47 106.37,36.75 106.51,37.02 106.67,37.27 106.84,37.52 107.04,37.75 107.25,37.97 107.48,38.17 107.72,38.35 107.97,38.51 108.24,38.66 108.52,38.78 108.8,38.88 109.1,38.96 109.39,39.02 109.7,39.06 110,39.07 110.3,39.07 110.61,39.04 110.91,38.98 111.2,38.91 111.49,38.81 111.78,38.69 112.05,38.55 112.31,38.39 112.56,38.21 112.79,38.01 113.01,37.79 113.21,37.56 113.4,37.32 113.57,37.06 113.71,36.79 113.84,36.51 113.94,36.22 114.03,35.92 114.09,35.62 114.12,35.31 114.14,35 114.13,34.69 114.1,34.38 114.04,34.08 113.97,33.78 113.87,33.48 113.74,33.2 113.6,32.92 113.44,32.66 113.26,32.4 113.05,32.17 112.84,31.94 112.6,31.74 112.35,31.55 112.09,31.38 111.81,31.23 111.53,31.1 111.23,31 110.93,30.91 110.63,30.85 110.31,30.81 110,30.8 109.7,30.81 109.4,30.84 109.11,30.89 108.81,30.96 108.53,31.05 108.25,31.16 107.98,31.3 107.72,31.45 107.47,31.62 107.23,31.8 107.01,32.01 106.8,32.23 106.61,32.46 106.43,32.71 106.28,32.97 106.14,33.24 106.02,33.52 105.92,33.8 105.84,34.1 105.79,34.39 105.75,34.7 105.74,35 105.75,35.3 105.78,35.61 105.83,35.91 105.9,36.2 105.99,36.49 106.11,36.78 106.24,37.05 106.4,37.32 106.57,37.57 106.76,37.81 106.96,38.04 107.19,38.25 107.42,38.44 107.67,38.62 107.94,38.78 108.21,38.92 108.49,39.04 108.78,39.14 109.08,39.22 109.39,39.28 109.69,39.31 110,39.32 110.31,39.32 110.62,39.29 110.92,39.23 111.22,39.16 111.52,39.07 111.8,38.95 112.08,38.81 112.35,38.66 112.61,38.48 112.85,38.29 113.08,38.08 113.29,37.85 113.49,37.61 113.67,37.36 113.83,37.09 113.98,36.82 114.1,36.53 114.2,36.23 114.28,35.93 114.34,35.62 114.37,35.31 114.39,35 114.38,34.69 114.35,34.37 114.3,34.07 114.22,33.76 114.12,33.46 114.01,33.17 113.87,32.89 113.71,32.62 113.53,32.36 113.34,32.11 113.12,31.88 112.9,31.66 112.65,31.46 112.39,31.28 112.12,31.11 111.84,30.97 111.55,30.84 111.25,30.74 110.94,30.66 110.63,30.6 110.32,30.56 110,30.55 109.05,30.55 ; 109.59,18.98 109.63,18.97 110,18.6 110,18.55 109.79,18.56 109.59,18.6 109.39,18.67 109.2,18.76 109.03,18.88 108.88,19.03 108.75,19.19 108.64,19.38 108.56,19.58 108.51,19.79 108.49,20 108.5,20.22 108.54,20.43 108.61,20.64 108.71,20.83 108.84,21.01 108.99,21.17 109.16,21.31 109.35,21.42 109.56,21.5 109.78,21.55 110,21.57 110.22,21.56 110.45,21.52 110.66,21.45 110.86,21.34 111.05,21.21 111.22,21.05 111.36,20.87 111.47,20.67 111.56,20.46 111.62,20.23 111.64,20 111.63,19.77 111.58,19.54 111.51,19.31 111.4,19.1 111.26,18.91 111.09,18.74 110.91,18.59 110.7,18.47 110.48,18.38 110.24,18.32 110,18.3 109.78,18.31 109.56,18.35 109.34,18.41 109.14,18.51 108.95,18.63 108.78,18.78 108.62,18.94 108.49,19.13 108.39,19.33 108.31,19.55 108.26,19.77 108.24,20 108.25,20.23 108.29,20.46 108.36,20.68 108.46,20.89 108.58,21.09 108.73,21.27 108.9,21.43 109.1,21.56 109.31,21.67 109.53,21.75 109.76,21.8 110,21.82 110.24,21.81 110.48,21.77 110.7,21.7 110.92,21.6 111.13,21.47 111.31,21.31 111.48,21.13 111.62,20.93 111.73,20.72 111.81,20.49 111.87,20.25 111.89,20 111.88,19.75 111.83,19.51 111.76,19.27 111.65,19.05 111.52,18.84 111.36,18.64 111.17,18.47 110.96,18.33 110.74,18.21 110.5,18.13 110.25,18.07 110,18.05 109.76,18.06 109.53,18.1 109.3,18.16 109.08,18.26 108.88,18.38 108.69,18.52 108.52,18.68 108.36,18.87 108.24,19.07 108.13,19.29 108.06,19.52 108.01,19.76 107.99,20 108,20.24 108.04,20.48 108.1,20.72 108.2,20.94 108.32,21.16 108.47,21.35 108.64,21.53 108.83,21.69 109.04,21.82 109.27,21.93 109.51,22.01 109.75,22.06 110,22.07 110.25,22.06 110.5,22.02 110.74,21.95 110.97,21.85 111.19,21.73 111.4,21.57 111.58,21.4 111.74,21.2 111.88,20.98 111.99,20.75 112.07,20.51 112.12,20.26 112.14,20 112.13,19.74 112.08,19.49 112.01,19.24 111.91,19 111.78,18.77 111.62,18.56 111.44,18.37 111.24,18.21 111.01,18.07 110.78,17.96 110.52,17.87 110.26,17.82 110,17.8 109.75,17.81 109.51,17.85 109.27,17.91 109.04,18 108.82,18.12 108.61,18.26 108.42,18.42 108.25,18.61 108.1,18.81 107.98,19.03 107.88,19.26 107.8,19.5 107.76,19.75 107.74,20 107.75,20.25 107.79,20.51 107.85,20.75 107.95,20.99 108.07,21.22 108.21,21.43 108.38,21.62 108.57,21.8 108.77,21.95 109,22.08 109.24,22.18 109.48,22.26 109.74,22.31 110,22.32 110.26,22.31 110.52,22.28 110.77,22.21 111.02,22.11 111.25,21.99 111.47,21.84 111.67,21.67 111.85,21.47 112,21.26 112.13,21.03 112.24,20.78 112.32,20.53 112.37,20.27 112.39,20 112.38,19.73 112.34,19.47 112.27,19.21 112.17,18.96 112.04,18.72 111.89,18.49 111.71,18.29 111.51,18.11 111.29,17.94 111.06,17.81 110.8,17.7 110.54,17.62 110.27,17.57 110,17.55 109.74,17.56 109.49,17.6 109.24,17.66 109,17.75 108.76,17.86 108.55,18 108.34,18.16 108.15,18.34 107.99,18.54 107.84,18.75 107.72,18.98 107.62,19.23 107.55,19.48 107.51,19.74 107.49,20 107.5,20.26 107.53,20.52 107.6,20.78 107.69,21.03 107.81,21.27 107.95,21.49 108.11,21.7 108.3,21.89 108.5,22.06 108.72,22.21 108.96,22.34 109.21,22.44 109.47,22.51 109.73,22.56 110,22.57 110.27,22.57 110.54,22.53 110.8,22.46 111.05,22.37 111.3,22.25 111.53,22.1 111.74,21.94 111.94,21.75 112.11,21.54 112.27,21.31 112.39,21.07 112.5,20.81 112.57,20.55 112.62,20.28 112.64,20 112.63,19.72 112.59,19.45 112.52,19.18 112.42,18.92 112.3,18.67 112.15,18.44 111.98,18.22 111.79,18.02 111.57,17.84 111.34,17.68 111.09,17.55 110.83,17.44 110.56,17.37 110.28,17.32 110,17.3 109.73,17.31 109.47,17.34 109.21,17.41 108.96,17.49 108.72,17.6 108.49,17.74 108.27,17.89 108.07,18.07 107.89,18.26 107.72,18.48 107.58,18.71 107.46,18.95 107.37,19.2 107.3,19.46 107.25,19.73 107.24,20 107.25,20.27 107.28,20.54 107.35,20.81 107.43,21.06 107.55,21.31 107.68,21.55 107.84,21.77 108.02,21.98 108.23,22.16 108.44,22.33 108.68,22.47 108.92,22.6 109.18,22.69 109.45,22.76 109.72,22.81 110,22.82 110.28,22.82 110.55,22.78 110.82,22.71 111.09,22.62 111.34,22.51 111.58,22.37 111.81,22.2 112.02,22.02 112.21,21.81 112.38,21.59 112.53,21.35 112.65,21.1 112.75,20.83 112.82,20.56 112.87,20.28 112.89,20 112.88,19.72 112.84,19.44 112.77,19.16 112.68,18.89 112.56,18.63 112.42,18.38 112.25,18.15 112.06,17.94 111.85,17.74 111.63,17.57 111.38,17.42 111.12,17.29 110.85,17.19 110.57,17.11 110.29,17.07 110,17.05 109.73,17.06 109.46,17.09 109.19,17.15 108.93,17.24 108.68,17.34 108.44,17.47 108.21,17.63 107.99,17.8 107.8,17.99 107.62,18.2 107.46,18.43 107.32,18.67 107.2,18.92 107.11,19.18 107.05,19.45 107,19.72 106.99,20 107,20.28 107.03,20.55 107.09,20.83 107.18,21.09 107.29,21.35 107.42,21.6 107.58,21.83 107.75,22.05 107.95,22.25 108.16,22.43 108.39,22.6 108.64,22.74 108.89,22.85 109.16,22.95 109.44,23.02 109.72,23.06 110,23.07 110.28,23.07 110.57,23.03 110.84,22.97 111.12,22.88 111.38,22.77 111.63,22.63 111.87,22.47 112.09,22.29 112.3,22.09 112.48,21.88 112.65,21.64 112.79,21.39 112.91,21.13 113.01,20.86 113.08,20.58 113.12,20.29 113.14,20 113.13,19.71 113.09,19.42 113.03,19.14 112.94,18.86 112.83,18.59 112.69,18.34 112.52,18.09 112.34,17.87 112.14,17.66 111.91,17.47 111.67,17.3 111.42,17.15 111.15,17.03 110.87,16.93 110.59,16.86 110.29,16.82 110,16.8 109.72,16.81 109.44,16.84 109.17,16.9 108.9,16.98 108.64,17.08 108.39,17.21 108.15,17.36 107.93,17.53 107.72,17.72 107.52,17.92 107.35,18.14 107.19,18.38 107.06,18.63 106.95,18.89 106.86,19.16 106.79,19.43 106.75,19.72 106.74,20 106.75,20.28 106.78,20.57 106.84,20.85 106.92,21.12 107.03,21.39 107.16,21.64 107.31,21.89 107.48,22.11 107.67,22.33 107.88,22.53 108.11,22.7 108.35,22.86 108.6,23 108.87,23.11 109.14,23.2 109.42,23.27 109.71,23.31 110,23.32 110.29,23.32 110.58,23.28 110.86,23.22 111.14,23.14 111.41,23.03 111.67,22.9 111.92,22.74 112.16,22.57 112.37,22.37 112.57,22.16 112.75,21.93 112.92,21.68 113.05,21.42 113.17,21.15 113.26,20.87 113.33,20.59 113.37,20.29 113.39,20 113.38,19.7 113.34,19.41 113.28,19.12 113.2,18.84 113.09,18.56 112.95,18.3 112.79,18.04 112.62,17.8 112.42,17.58 112.2,17.38 111.96,17.19 111.71,17.03 111.45,16.89 111.18,16.77 110.89,16.68 110.6,16.61 110.3,16.57 110,16.55 109.71,16.56 109.43,16.59 109.15,16.65 108.88,16.72 108.61,16.83 108.35,16.95 108.1,17.09 107.86,17.26 107.64,17.44 107.44,17.64 107.25,17.86 107.08,18.09 106.93,18.34 106.8,18.6 106.69,18.86 106.6,19.14 106.54,19.42 106.5,19.71 106.49,20 106.5,20.29 106.53,20.58 106.59,20.86 106.67,21.14 106.77,21.42 106.89,21.68 107.04,21.93 107.21,22.17 107.39,22.4 107.6,22.61 107.82,22.8 108.06,22.97 108.31,23.13 108.57,23.26 108.84,23.37 109.12,23.46 109.41,23.52 109.71,23.56 110,23.57 110.3,23.57 110.59,23.53 110.88,23.48 111.17,23.39 111.44,23.29 111.71,23.16 111.97,23.01 112.21,22.84 112.44,22.65 112.65,22.44 112.85,22.22 113.03,21.98 113.18,21.72 113.32,21.45 113.43,21.18 113.52,20.89 113.58,20.6 113.62,20.3 113.64,20 113.63,19.7 113.59,19.4 113.54,19.1 113.45,18.81 113.35,18.53 113.22,18.26 113.06,18 112.89,17.75 112.7,17.52 112.49,17.3 112.26,17.1 112.01,16.92 111.75,16.76 111.48,16.63 111.2,16.51 110.91,16.42 110.61,16.36 110.31,16.32 110,16.3 109.71,16.31 109.42,16.34 109.13,16.39 108.85,16.47 108.58,16.57 108.31,16.69 108.06,16.83 107.81,16.99 107.58,17.17 107.36,17.36 107.16,17.57 106.98,17.8 106.81,18.05 106.66,18.3 106.54,18.57 106.43,18.84 106.35,19.12 106.29,19.41 106.25,19.71 106.24,20 106.25,20.3 106.28,20.59 106.33,20.88 106.41,21.17 106.51,21.45 106.63,21.72 106.77,21.98 106.94,22.23 107.12,22.46 107.32,22.68 107.53,22.89 107.77,23.07 108.01,23.24 108.27,23.39 108.54,23.52 108.82,23.63 109.11,23.71 109.4,23.77 109.7,23.81 110,23.82 110.3,23.82 110.6,23.78 110.9,23.73 111.19,23.65 111.47,23.55 111.75,23.42 112.01,23.28 112.26,23.11 112.5,22.93 112.73,22.73 112.93,22.51 113.12,22.27 113.3,22.02 113.45,21.76 113.58,21.48 113.69,21.2 113.77,20.91 113.83,20.61 113.87,20.3 113.89,20 113.88,19.69 113.85,19.39 113.79,19.09 113.71,18.79 113.61,18.51 113.48,18.23 113.33,17.96 113.17,17.7 112.98,17.46 112.77,17.23 112.55,17.02 112.31,16.82 112.05,16.65 111.78,16.5 111.51,16.37 111.22,16.26 110.92,16.17 110.62,16.1 110.31,16.07 110,16.05 109.7,16.06 109.41,16.09 109.12,16.14 108.83,16.21 108.55,16.31 108.28,16.43 108.01,16.56 107.76,16.72 107.52,16.89 107.29,17.08 107.08,17.29 106.88,17.51 106.7,17.75 106.54,18 106.4,18.27 106.28,18.54 106.18,18.82 106.1,19.11 106.04,19.4 106,19.7 105.99,20 106,20.3 106.03,20.6 106.08,20.89 106.15,21.19 106.25,21.47 106.37,21.75 106.51,22.02 106.67,22.27 106.84,22.52 107.04,22.75 107.25,22.97 107.48,23.17 107.72,23.35 107.97,23.51 108.24,23.66 108.52,23.78 108.8,23.88 109.1,23.96 109.39,24.02 109.7,24.06 110,24.07 110.3,24.07 110.61,24.04 110.91,23.98 111.2,23.91 111.49,23.81 111.78,23.69 112.05,23.55 112.31,23.39 112.56,23.21 112.79,23.01 113.01,22.79 113.21,22.56 113.4,22.32 113.57,22.06 113.71,21.79 113.84,21.51 113.94,21.22 114.03,20.92 114.09,20.62 114.12,20.31 114.14,20 114.13,19.69 114.1,19.38 114.04,19.08 113.97,18.78 113.87,18.48 113.74,18.2 113.6,17.92 113.44,17.66 113.26,17.4 113.05,17.17 112.84,16.94 112.6,16.74 112.35,16.55 112.09,16.38 111.81,16.23 111.53,16.1 111.23,16 110.93,15.91 110.63,15.85 110.31,15.81 110,15.8 109.7,15.81 109.4,15.84 109.11,15.89 108.81,15.96 108.53,16.05 108.25,16.16 107.98,16.3 107.72,16.45 107.47,16.62 107.23,16.8 107.01,17.01 106.8,17.23 106.61,17.46 106.43,17.71 106.28,17.97 106.14,18.24 106.02,18.52 105.92,18.8 105.84,19.1 105.79,19.39 105.75,19.7 105.74,20 105.75,20.3 105.78,20.61 105.83,20.91 105.9,21.2 105.99,21.49 106.11,21.78 106.24,22.05 106.4,22.32 106.57,22.57 106.76,22.81 106.96,23.04 107.19,23.25 107.42,23.44 107.67,23.62 107.94,23.78 108.21,23.92 108.49,24.04 108.78,24.14 109.08,24.22 109.39,24.28 109.69,24.31 110,24.32 110.31,24.32 110.62,24.29 110.92,24.23 111.22,24.16 111.52,24.07 111.8,23.95 112.08,23.81 112.35,23.66 112.61,23.48 112.85,23.29 113.08,23.08 113.29,22.85 113.49,22.61 113.67,22.36 113.83,22.09 113.98,21.82 114.1,21.53 114.2,21.23 114.28,20.93 114.34,20.62 114.37,20.31 114.39,20 114.38,19.69 114.35,19.37 114.3,19.07 114.22,18.76 114.12,18.46 114.01,18.17 113.87,17.89 113.71,17.62 113.53,17.36 113.34,17.11 113.12,16.88 112.9,16.66 112.65,16.46 112.39,16.28 112.12,16.11 111.84,15.97 111.55,15.84 111.25,15.74 110.94,15.66 110.63,15.6 110.32,15.56 110,15.55 109.05,15.55